# KiCad board splitsbits-right.kicad_pcb
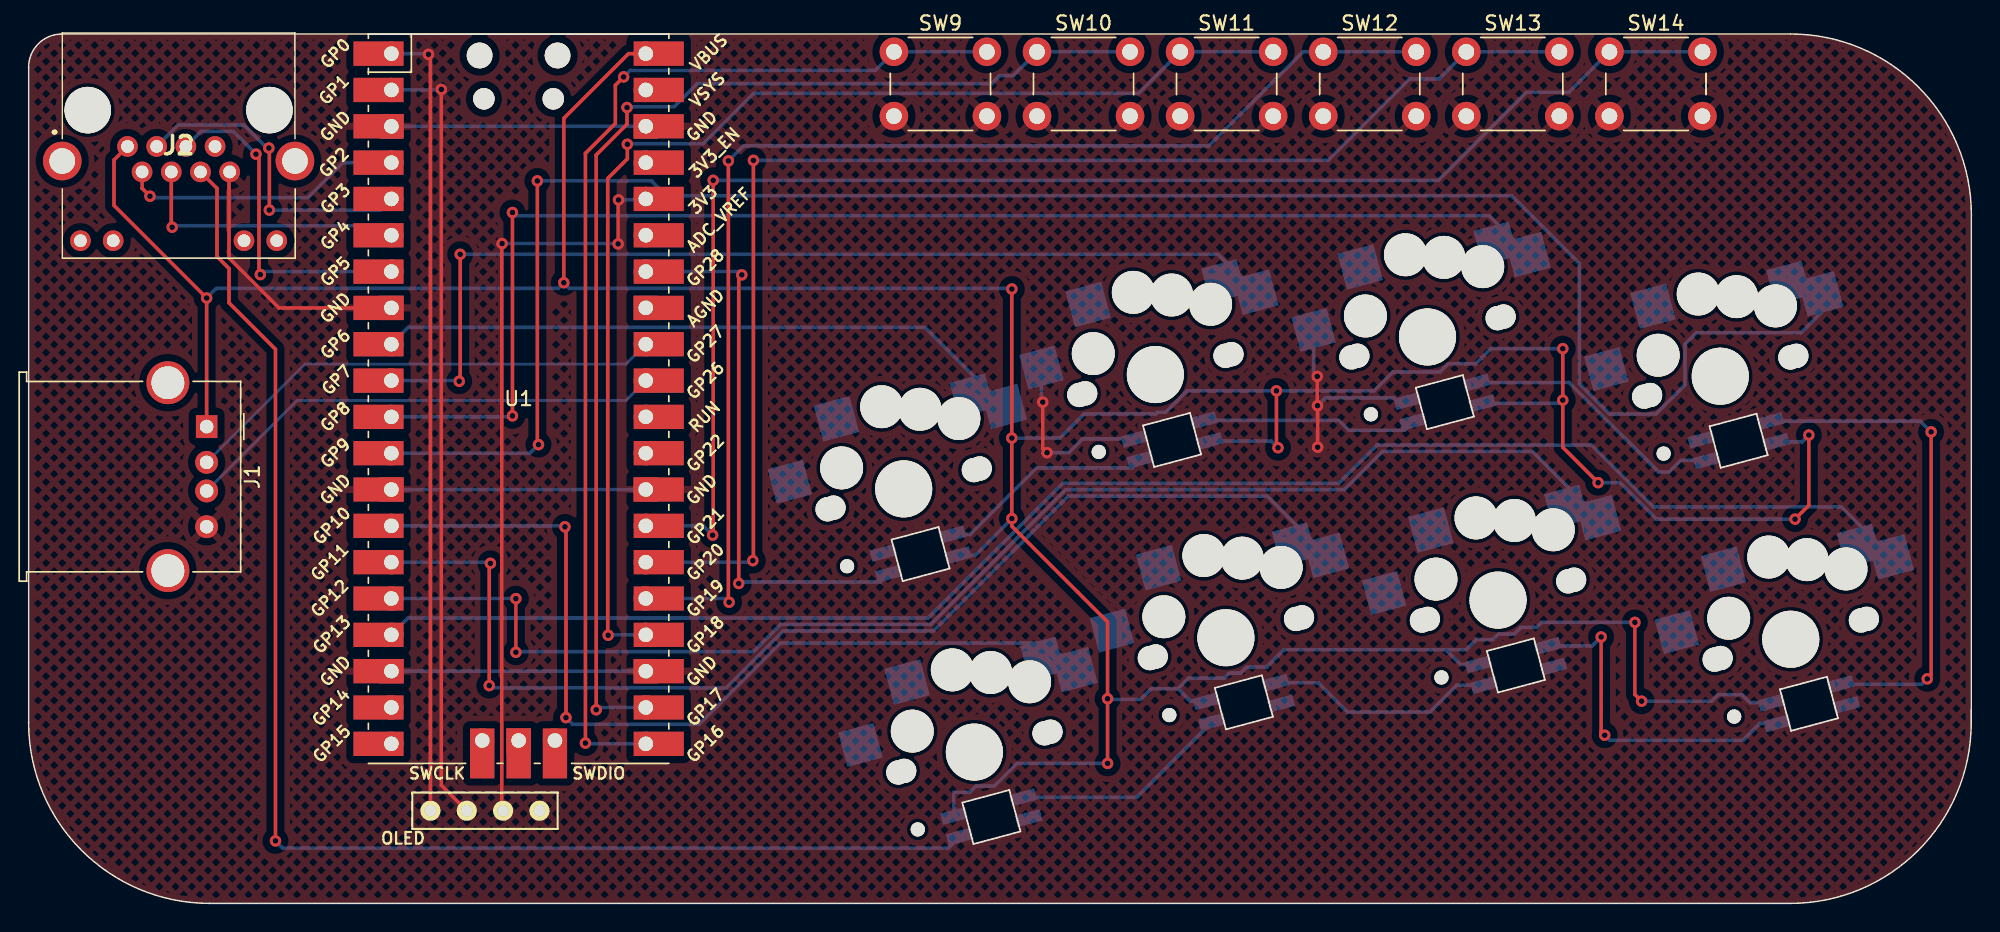
[diagram p0: board, top side]
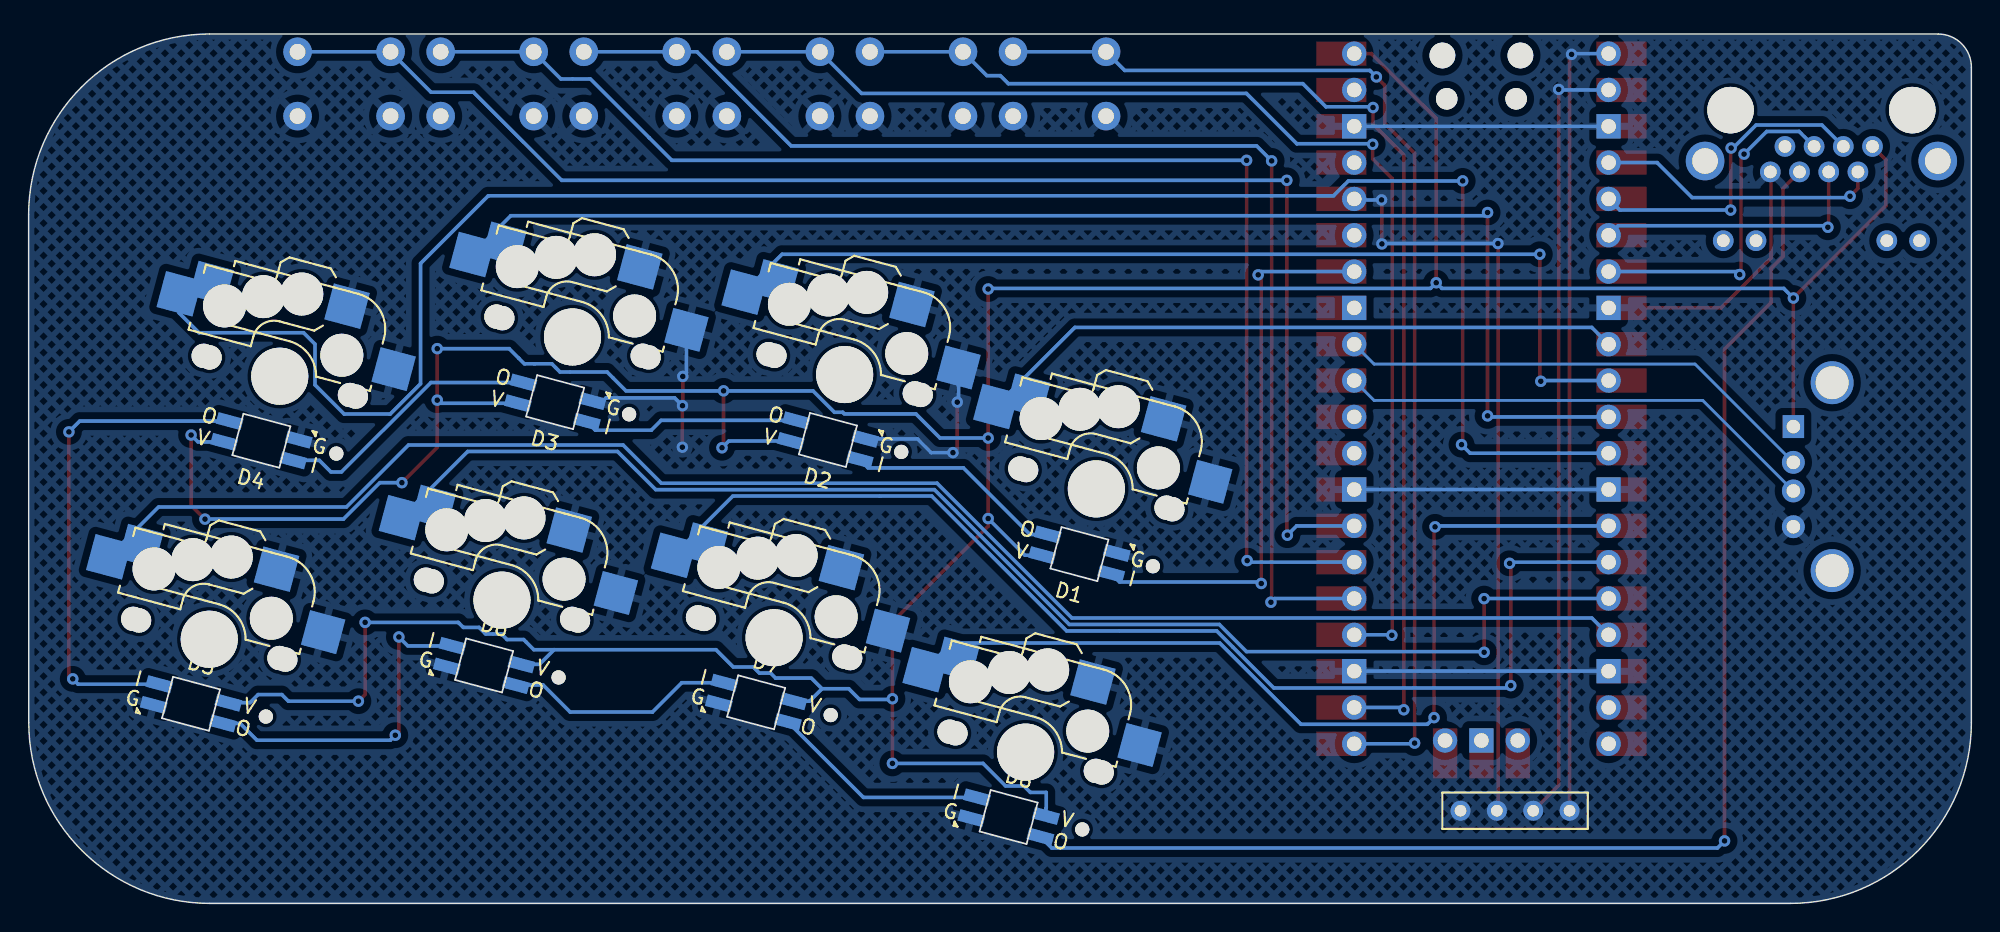
[diagram p1: board, bottom side, seen from below]

Outline 135.77 x 60.8 mm; copper layers: Top, Bottom. Coordinates in mm from the lower left corner of the outline.
Outline path: 0,12.65 0,58.47 arc(0.68,60.11) 2.32,60.79 123.12,60.8 arc(132.06,57.09) 135.77,48.15 135.76,12.65 arc(132.05,3.71) 123.11,0 12.65,0 arc(3.71,3.71) 0,12.65

## Placement (name value [footprint] x y rotation side)
D1  SK6812MINI-E_Easy_Solder  [YS-SK6812MINI-E-SingleSide]  62.33 24.43 15 top
D2  SK6812MINI-E_Easy_Solder  [YS-SK6812MINI-E-SingleSide]  79.91 32.41 15 top
D3  SK6812MINI-E_Easy_Solder  [YS-SK6812MINI-E-SingleSide]  98.97 35.05 15 top
D4  SK6812MINI-E_Easy_Solder  [YS-SK6812MINI-E-SingleSide]  119.5 32.35 15 top
D5  SK6812MINI-E_Easy_Solder  [YS-SK6812MINI-E-SingleSide]  124.42 13.96 195 top
D6  SK6812MINI-E_Easy_Solder  [YS-SK6812MINI-E-SingleSide]  103.93 16.64 195 top
D7  SK6812MINI-E_Easy_Solder  [YS-SK6812MINI-E-SingleSide]  84.92 14.06 195 top
D8  SK6812MINI-E_Easy_Solder  [YS-SK6812MINI-E-SingleSide]  67.28 6.04 195 top
J1  USB_A  [USB_A_Molex_67643_Horizontal]  12.44 33.34 270 top
J2  RJ45  [RRJ45R08PC000]  6.91 52.93 180 top
OLED  Conn_01x04  [OLED_4Pin]  28.08 6.48 0 top
SW1  SW_Push_45deg  [Kailh_socket_MX-ChocV1]  61.15 28.99 15 bottom
SW2  SW_Push_45deg  [Kailh_socket_MX-ChocV1]  78.74 36.98 15 bottom
SW3  SW_Push_45deg  [Kailh_socket_MX-ChocV1]  97.76 39.61 15 bottom
SW4  SW_Push_45deg  [Kailh_socket_MX-ChocV1]  118.22 36.86 15 bottom
SW5  SW_Push_45deg  [Kailh_socket_MX-ChocV1]  66.09 10.58 15 bottom
SW6  SW_Push_45deg  [Kailh_socket_MX-ChocV1]  83.67 18.58 15 bottom
SW7  SW_Push_45deg  [Kailh_socket_MX-ChocV1]  102.69 21.21 15 bottom
SW8  SW_Push_45deg  [Kailh_socket_MX-ChocV1]  123.14 18.47 15 bottom
SW9  SW_Push_45deg  [SW_PUSH_6mm]  60.47 59.55 0 top
SW10  SW_Push_45deg  [SW_PUSH_6mm]  70.47 59.55 0 top
SW11  SW_Push_45deg  [SW_PUSH_6mm]  80.47 59.55 0 top
SW12  SW_Push_45deg  [SW_PUSH_6mm]  90.47 59.55 0 top
SW13  SW_Push_45deg  [SW_PUSH_6mm]  100.47 59.55 0 top
SW14  SW_Push_45deg  [SW_PUSH_6mm]  110.47 59.55 0 top
U1  Pico  [RPi_Pico_SMD_TH]  34.24 35.29 0 top

## Library data of the parts
J1 = -: Description: USB Type A connector
J2 = -: Description: RJ connector, 8P8C (8 positions 8 connected)
OLED = -: Description: Generic connector, single row, 01x04, script generated (kicad-library-utils/schlib/autogen/connector/)
SW1-SW14 = -: Description: Push button switch, normally open, two pins, 45° tilted

## Footprints (pads in the part's own frame, mm; a bottom-side part is the same pattern mirrored in y, then rotated)
Kailh_socket_MX-ChocV1
  round 1.702 hole 1.702 unplated: (-5.5,0) (-5.08,0) (5.08,0) (5.5,0)
  round 0.991 hole 0.991 unplated: (-5.22,4.2)
  round 3 hole 3 unplated: (-3.81,-2.54) (0,-5.95) (2.54,-5.08) (5,-3.75)
  round 3.429 hole 3.429 unplated: (0,0)
  round 3.988 hole 3.988 unplated: (0,0)
  rect 2.55x2.5 smd: 1(6.29,-5.08) 2(-7.56,-2.54)
  rect 2.6x2.6 smd: 1(8.275,-3.75) 2(-3.275,-5.95)
OLED_4Pin
  round 1.397 hole 0.813: 1(0,0) 2(2.54,0) 3(5.08,0) 4(7.62,0)
RPi_Pico_SMD_TH
  oval 1.8x1.8 hole 1.8 unplated: (-2.725,24) (2.725,24)
  oval 1.5x1.5 hole 1.5 unplated: (-2.425,20.97) (2.425,20.97)
  oval 1.7x1.7 hole 1.02: 1(-8.89,24.13) 2(-8.89,21.59) 4(-8.89,16.51) 5(-8.89,13.97) 6(-8.89,11.43) 7(-8.89,8.89) 9(-8.89,3.81) 10(-8.89,1.27) 11(-8.89,-1.27) 12(-8.89,-3.81) 14(-8.89,-8.89) 15(-8.89,-11.43) 16(-8.89,-13.97) 17(-8.89,-16.51) 19(-8.89,-21.59) 20(-8.89,-24.13) 21(8.89,-24.13) 22(8.89,-21.59) 24(8.89,-16.51) 25(8.89,-13.97) 26(8.89,-11.43) 27(8.89,-8.89) 29(8.89,-3.81) 30(8.89,-1.27) 31(8.89,1.27) 32(8.89,3.81) 34(8.89,8.89) 35(8.89,11.43) 36(8.89,13.97) 37(8.89,16.51) 39(8.89,21.59) 40(8.89,24.13) 41(-2.54,-23.9) 43(2.54,-23.9)
  rect 3.5x1.7 smd: 1(-8.89,24.13) 2(-8.89,21.59) 3(-8.89,19.05) 4(-8.89,16.51) 5(-8.89,13.97) 6(-8.89,11.43) 7(-8.89,8.89) 8(-8.89,6.35) 9(-8.89,3.81) 10(-8.89,1.27) 11(-8.89,-1.27) 12(-8.89,-3.81) 13(-8.89,-6.35) 14(-8.89,-8.89) 15(-8.89,-11.43) 16(-8.89,-13.97) 17(-8.89,-16.51) 18(-8.89,-19.05) 19(-8.89,-21.59) 20(-8.89,-24.13) 21(8.89,-24.13) 22(8.89,-21.59) 23(8.89,-19.05) 24(8.89,-16.51) 25(8.89,-13.97) 26(8.89,-11.43) 27(8.89,-8.89) 28(8.89,-6.35) 29(8.89,-3.81) 30(8.89,-1.27) 31(8.89,1.27) 32(8.89,3.81) 33(8.89,6.35) 34(8.89,8.89) 35(8.89,11.43) 36(8.89,13.97) 37(8.89,16.51) 38(8.89,19.05) 39(8.89,21.59) 40(8.89,24.13)
  rect 1.7x1.7 hole 1.02: 3(-8.89,19.05) 8(-8.89,6.35) 13(-8.89,-6.35) 18(-8.89,-19.05) 23(8.89,-19.05) 28(8.89,-6.35) 33(8.89,6.35) 38(8.89,19.05) 42(0,-23.9)
  rect 1.7x3.5 smd: 41(-2.54,-23.9) 42(0,-23.9) 43(2.54,-23.9)
RRJ45R08PC000
  round 3.25 hole 3.25 unplated: (-9.92,-2.54) (2.78,-2.54)
  round 1.446 hole 0.89: 1(0,0) 2(-1.02,1.78) 3(-2.04,0) 4(-3.06,1.78) 5(-4.08,0) 6(-5.1,1.78) 7(-6.12,0) 8(-7.14,1.78) 9(3.29,6.59) 10(1,6.59) 11(-8.14,6.59) 12(-10.43,6.59)
  round 2.7 hole 1.8: MH1(-11.7,1.02) MH2(4.56,1.02)
SW_PUSH_6mm
  round 2 hole 1.1: 1(0,0) 1(6.5,0) 2(0,-4.5) 2(6.5,-4.5)
USB_A_Molex_67643_Horizontal
  rect 1.6x1.5 hole 0.95: 1(0,0)
  round 1.6 hole 0.95: 2(2.5,0) 3(4.5,0) 4(7,0)
  round 3 hole 2.3: 5(-3.07,-2.71) 5(10.07,-2.71)
YS-SK6812MINI-E-SingleSide
  rect 1.8x0.82 smd far side: 1(2.5,-0.75) 2(2.5,0.75) 3(-2.5,0.75) 4(-2.5,-0.75)

## Nets
+3V3: OLED.3 U1.36
GND: D1.3 D2.3 D3.3 D4.3 D5.3 D6.3 D7.3 D8.3 J1.4 J2.8 OLED.4 SW1.2 SW2.2 SW3.2 SW4.2 SW5.2 SW6.2 SW7.2 SW8.2 SW9.2 SW10.2 SW11.2 SW12.2 SW13.2 SW14.2 U1.3 U1.8 U1.13 U1.18 U1.23 U1.28 U1.38
VCC: D1.1 D2.1 D3.1 D4.1 D5.1 D6.1 D7.1 D8.1 J1.1 J2.1 U1.40
A1: SW13.1 U1.26
A2: SW14.1 U1.27
B1: SW1.1 U1.9
B2: SW2.1 U1.10
B3: SW5.1 U1.14
B4: SW6.1 U1.15
Down: J2.3 U1.5
HostUSB-D+: J1.3 U1.31
HostUSB-D-: J1.2 U1.32
I2C-SCL: OLED.2 U1.2
I2C-SDA: OLED.1 U1.1
L1: SW8.1 U1.17
L2: SW4.1 U1.12
L3: SW11.1 U1.24
LED: D1.4 U1.34
LED-OUT: D8.2 J2.6
Left: J2.5 U1.7
R1: SW7.1 U1.16
R2: SW3.1 U1.11
R3: SW12.1 U1.25
Right: J2.4 U1.6
S1: SW9.1 U1.21
S2: SW10.1 U1.22
Up: J2.2 U1.4
Net-(D1-DOUT): D1.2 D2.4
Net-(D2-DOUT): D2.2 D3.4
Net-(D3-DOUT): D3.2 D4.4
Net-(D4-DOUT): D4.2 D5.4
Net-(D5-DOUT): D5.2 D6.4
Net-(D6-DOUT): D6.2 D7.4
Net-(D7-DOUT): D7.2 D8.4

Pads without a net: J1 5; J2 7 9 10 11 12 MH1 MH2; U1 19 20 29 30 33 35 37 39 41 42 43

## Via types
v1: diameter 0.8, hole 0.4, Top to Bottom, 63 vias

## Routing (per net, layer and track width the routed paths; a pad name or vN(x,y) marks a point on that pad's centre or on a via; arc(x,y) is an arc through that point)
+3V3: length 52.9
  Top w0.25: v1(41.19,46.11) 41.19,49.16 v1(41.22,49.19) ; v1(33.09,46.14) 33.07,46.12 33.07,6.58 OLED.3
  Bottom w0.25: v1(41.22,49.19) 43.06,49.19 U1.36 ; v1(33.09,46.14) 41.17,46.14 v1(41.19,46.11)
GND: length 99.7
  Top w0.25: U1.8 17.49,41.64 14,45.13 14,51.1 J2.8 ; v1(71.17,31.52) 70.87,31.82 v1(70.87,35.05) ; v1(90.05,36.85) 90.05,34.82 v1(90.07,34.8) 90.08,34.79 v1(90.08,31.9)
  Bottom w0.25: D2.3 73.65,32.48 72.69,31.52 v1(71.17,31.52) ; SW2.2 70.78,35.14 v1(70.87,35.05) ; v1(90.05,36.85) 89.8,37.1 SW3.2 ; U1.13 U1.28 ; D3.3 95.63,35.13 95.41,35.35 90.62,35.35 v1(90.07,34.8) ; U1.18 U1.23 ; U1.3 U1.38
VCC: length 301.9
  Top w0.25: v1(37.4,43.4) 37.4,54.89 41.93,59.42 U1.40 ; v1(112.72,14.14) 112.25,14.61 v1(112.25,19.65) ; v1(124.41,32.75) 124.41,27.84 v1(123.44,26.87) ; v1(109.68,29.42) 107.21,31.89 v1(107.21,35.19) v1(107.21,38.79) ; J1.1 v1(12.44,42.33) 5.97,48.8 5.97,51.99 J2.1 ; v1(87.31,31.86) 87.2,31.97 v1(87.2,35.84) ; v1(68.71,42.96) v1(68.71,32.54) v1(68.71,26.91) 68.71,26.37 75.4,19.68 v1(75.4,14.31) v1(75.4,9.79)
  Bottom w0.25: v1(124.41,32.75) 123.93,32.27 D4.1 ; 99.04,17.74 100.07,16.72 D6.1 ; 99.04,17.74 87.73,17.74 86.52,16.53 85.12,16.53 84.69,16.1 83.91,16.1 83.56,15.75 81.06,15.75 80.32,15.01 ; 99.04,17.74 100.46,17.74 101.17,18.45 102.33,18.45 102.72,18.84 103.83,18.84 104.29,19.3 105.39,19.3 105.74,19.65 v1(112.25,19.65) ; D1.1 66.15,24.35 v1(68.71,26.91) ; v1(112.72,14.14) 117.61,14.14 118.07,14.6 119.73,14.6 120.3,14.03 D5.1 ; 80.32,15.01 81.19,14.14 D7.1 ; 80.32,15.01 78.45,15.01 77.7,14.26 75.45,14.26 v1(75.4,14.31) ; v1(68.71,42.96) 68.67,43.01 37.8,43.01 v1(37.4,43.4) 37.01,43.01 13.12,43.01 v1(12.44,42.33) ; v1(75.4,9.79) 69.07,9.79 67.49,8.21 66.21,8.21 65.76,7.76 64.65,7.76 64.65,6.68 64.67,6.66 D8.1 ; v1(68.71,32.54) 72.07,32.54 73.76,34.23 78.76,34.23 78.87,34.34 79.45,34.34 80.95,35.84 v1(87.2,35.84) 94.02,35.84 95.34,37.16 98.63,37.16 99.2,37.73 101.12,37.73 102.18,38.79 v1(107.21,38.79) ; v1(87.31,31.86) 86.84,32.33 D2.1 ; v1(123.44,26.87) 113.76,26.87 111.21,29.42 v1(109.68,29.42) ; v1(107.21,35.19) 106.99,34.97 D3.1
A1: length 95
  Top w0.25: v1(50.61,23.97) 50.65,24.01 v1(50.65,51.96)
  Bottom w0.25: v1(50.65,51.96) 90.82,51.96 96.51,57.65 98.57,57.65 SW13.1 SW13.1 ; v1(50.61,23.97) 50.5,23.86 U1.26
A2: length 102.6
  Top w0.25: v1(47.8,25.75) 47.84,25.79 v1(47.84,50.56)
  Bottom w0.25: v1(47.84,50.56) 98.51,50.56 104.67,56.72 107.64,56.72 SW14.1 SW14.1 ; v1(47.8,25.75) 47.15,26.4 U1.27
B1: length 45.6
  Bottom w0.25: SW1.1 62.65,40.28 26.53,40.28 U1.9
B2: length 70.4
  Top w0.25: v1(30.09,36.51) 30.16,36.58 v1(30.16,45.39)
  Bottom w0.25: SW2.1 83.11,45.39 v1(30.16,45.39) ; U1.10 30.04,36.56 v1(30.09,36.51)
B3: length 64.4
  Top w0.25: v1(37.55,12.99) 37.55,26.26 v1(37.48,26.33)
  Bottom w0.25: v1(37.48,26.33) 37.41,26.4 U1.14 ; SW5.1 71.25,18.2 52.53,18.2 46.85,12.53 38.02,12.53 v1(37.55,12.99)
B4: length 81.4
  Top w0.25: v1(32.27,23.78) 32.19,23.7 v1(32.19,15.23)
  Bottom w0.25: SW6.1 86.55,28.48 72.65,28.48 63.23,19.06 52.74,19.06 48.75,15.07 32.36,15.07 v1(32.19,15.23) ; v1(32.27,23.78) 32.19,23.86 U1.15
Down: length 22.3
  Top w0.25: v1(16.82,48.48) 16.82,52.79 v1(16.79,52.82)
  Bottom w0.25: v1(16.79,52.82) 16.65,52.82 15.04,54.43 10.45,54.43 J2.3 ; v1(16.82,48.48) 24.57,48.48 U1.5
HostUSB-D+: length 33.9
  Bottom w0.2: U1.31 41.74,35.17 18.77,35.17 J1.3
HostUSB-D-: length 34.1
  Bottom w0.2: U1.32 41.74,37.71 19.31,37.71 J1.2
I2C-SCL: length 54.7
  Top w0.25: OLED.2 28.84,8.26 v1(28.84,56.92)
  Bottom w0.25: U1.2 28.8,56.88 v1(28.84,56.92)
I2C-SDA: length 55.6
  Top w0.25: v1(27.94,59.37) 28.08,59.23 OLED.1
  Bottom w0.25: U1.1 27.89,59.42 v1(27.94,59.37)
L1: length 113.5
  Bottom w0.25: U1.17 26.53,19.96 62.86,19.96 72.28,29.38 91.55,29.38 94.22,32.05 109.22,32.05 113.55,27.72 126.68,27.72 SW8.1
L2: length 136.3
  Top w0.25: v1(35.55,50.52) 35.55,32.16 v1(35.63,32.08)
  Bottom w0.25: U1.12 35.03,31.48 v1(35.63,32.08) ; v1(35.55,50.52) 43.53,50.52 44.57,49.48 103.64,49.48 108.38,44.75 108.38,36.33 110.5,34.21 113.71,34.21 115.75,36.26 115.75,39.11 116.55,39.9 123.86,39.9 125.24,41.28 SW4.1
L3: length 85.4
  Top w0.25: v1(40.5,18.75) 40.47,18.78 40.47,50.69 41.84,52.06 v1(41.84,53.08)
  Bottom w0.25: SW11.1 SW11.1 77.56,56.64 50.66,56.64 47.14,53.12 41.88,53.12 v1(41.84,53.08) ; v1(40.5,18.75) 40.53,18.78 U1.24
LED: length 39.2
  Top w0.25: v1(49.84,43.95) 49.62,43.73 v1(49.62,22.37)
  Bottom w0.25: v1(49.84,43.95) 49.61,44.18 U1.34 ; D1.4 59.53,22.47 49.73,22.47 v1(49.62,22.37)
LED-OUT: length 97.3
  Top w0.25: J2.6 13.17,50 13.17,45.24 14,44.4 14,42 17.25,38.75 v1(17.25,4.37)
  Bottom w0.25: v1(17.25,4.37) 17.75,3.87 64.26,3.87 D8.2
Left: length 23.8
  Top w0.25: v1(15.89,52.39) 16.1,52.18 16.1,44.06 v1(16.19,43.97)
  Bottom w0.25: J2.5 12.04,53.98 14.3,53.98 v1(15.89,52.39) ; U1.7 16.4,44.18 v1(16.19,43.97)
R1: length 95.8
  Top w0.25: v1(34.05,17.56) v1(34.05,21.31)
  Bottom w0.25: SW7.1 105.08,31.6 94.61,31.6 91.94,28.93 72.47,28.93 63.04,19.51 52.56,19.51 50.66,17.61 34.1,17.61 v1(34.05,17.56) ; U1.16 34.04,21.32 v1(34.05,21.31)
R2: length 94.9
  Top w0.25: v1(33.81,48.31) v1(33.81,34.09)
  Bottom w0.25: v1(33.81,48.31) 34.04,48.09 102.07,48.09 SW3.1 ; v1(33.81,34.09) 33.74,34.02 U1.11
R3: length 88
  Top w0.25: v1(48.9,51.92) 48.9,21.11 v1(48.95,21.06)
  Bottom w0.25: U1.25 48.69,21.32 v1(48.95,21.06) ; SW12.1 SW12.1 89.06,59.55 82.48,52.97 49.95,52.97 v1(48.9,51.92)
Right: length 19.5
  Top w0.25: v1(10.03,47.28) 9.97,47.34 J2.4
  Bottom w0.25: U1.6 24.68,47.39 10.14,47.39 v1(10.03,47.28)
S1: length 78
  Top w0.25: v1(38.91,11.21) 38.91,52.45 41,54.54 41,57.21 v1(41.58,57.79)
  Bottom w0.25: v1(41.58,57.79) 42.04,58.25 59.17,58.25 SW9.1 SW9.1 ; v1(38.91,11.21) 38.96,11.16 U1.21
S2: length 83.3
  Top w0.25: v1(39.66,13.54) 39.66,52.33 41.81,54.48 v1(41.81,55.65)
  Bottom w0.25: SW10.1 SW10.1 68.8,57.88 67.86,57.88 67.3,57.32 46.72,57.32 45.11,55.71 41.87,55.71 v1(41.81,55.65) ; U1.22 39.82,13.7 v1(39.66,13.54)
Up: length 19.9
  Top w0.25: v1(8.48,49.45) 7.93,50 J2.2
  Bottom w0.25: U1.4 21.96,51.8 19.51,49.35 8.58,49.35 v1(8.48,49.45)
Net-(D1-DOUT): length 15.3
  Bottom w0.25: D1.2 65.79,25.8 70.44,30.45 77.1,30.45 D2.4
Net-(D2-DOUT): length 15.2
  Bottom w0.25: D2.2 91.56,33.78 92.25,33.09 96.16,33.09 D3.4
Net-(D3-DOUT): length 19
  Bottom w0.25: D3.2 107.65,36.42 113.9,30.17 114.64,30.17 115.45,30.98 D4.4
Net-(D4-DOUT): length 35.1
  Top w0.25: v1(132.95,32.97) 132.95,15.97 v1(132.68,15.7)
  Bottom w0.25: D5.4 132.31,15.33 v1(132.68,15.7) ; D4.2 132.2,33.72 v1(132.95,32.97)
Net-(D5-DOUT): length 23.7
  Top w0.25: v1(109.89,18.63) 109.89,12.01 v1(110.14,11.76)
  Bottom w0.25: v1(110.14,11.76) 110.49,11.41 119.81,11.41 120.99,12.59 D5.2 ; v1(109.89,18.63) 109.27,18.01 D6.4
Net-(D6-DOUT): length 16.2
  Bottom w0.25: D7.4 90.12,15.43 92.17,13.38 97.92,13.38 99.81,15.27 D6.2
Net-(D7-DOUT): length 15.4
  Bottom w0.25: D7.2 77.43,7.41 D8.4

## Copper pours and planes (outline as drawn; the poured copper is in the pictures)
GND on Top, Bottom: -8.32,71.29 143.28,71.29 143.28,-7.45 141,-9.73 -8.13,-9.73 -8.32,-9.54
